# Altium PCB pi4.PcbDoc (part 1 of 4)
Units mm, origin at the board's own origin, x right, y up, seen from the top; angles counter-clockwise.
Board outline 90 x 90 mm, 6 copper layers (Top Layer, GND, Layer 1, Layer 2, +3.3V, Bottom Layer), stack 1.576 mm thick; 206 components, 185 nets, 1058 pads, 526 vias.
Unrouted connection lines stored in the file: 110.
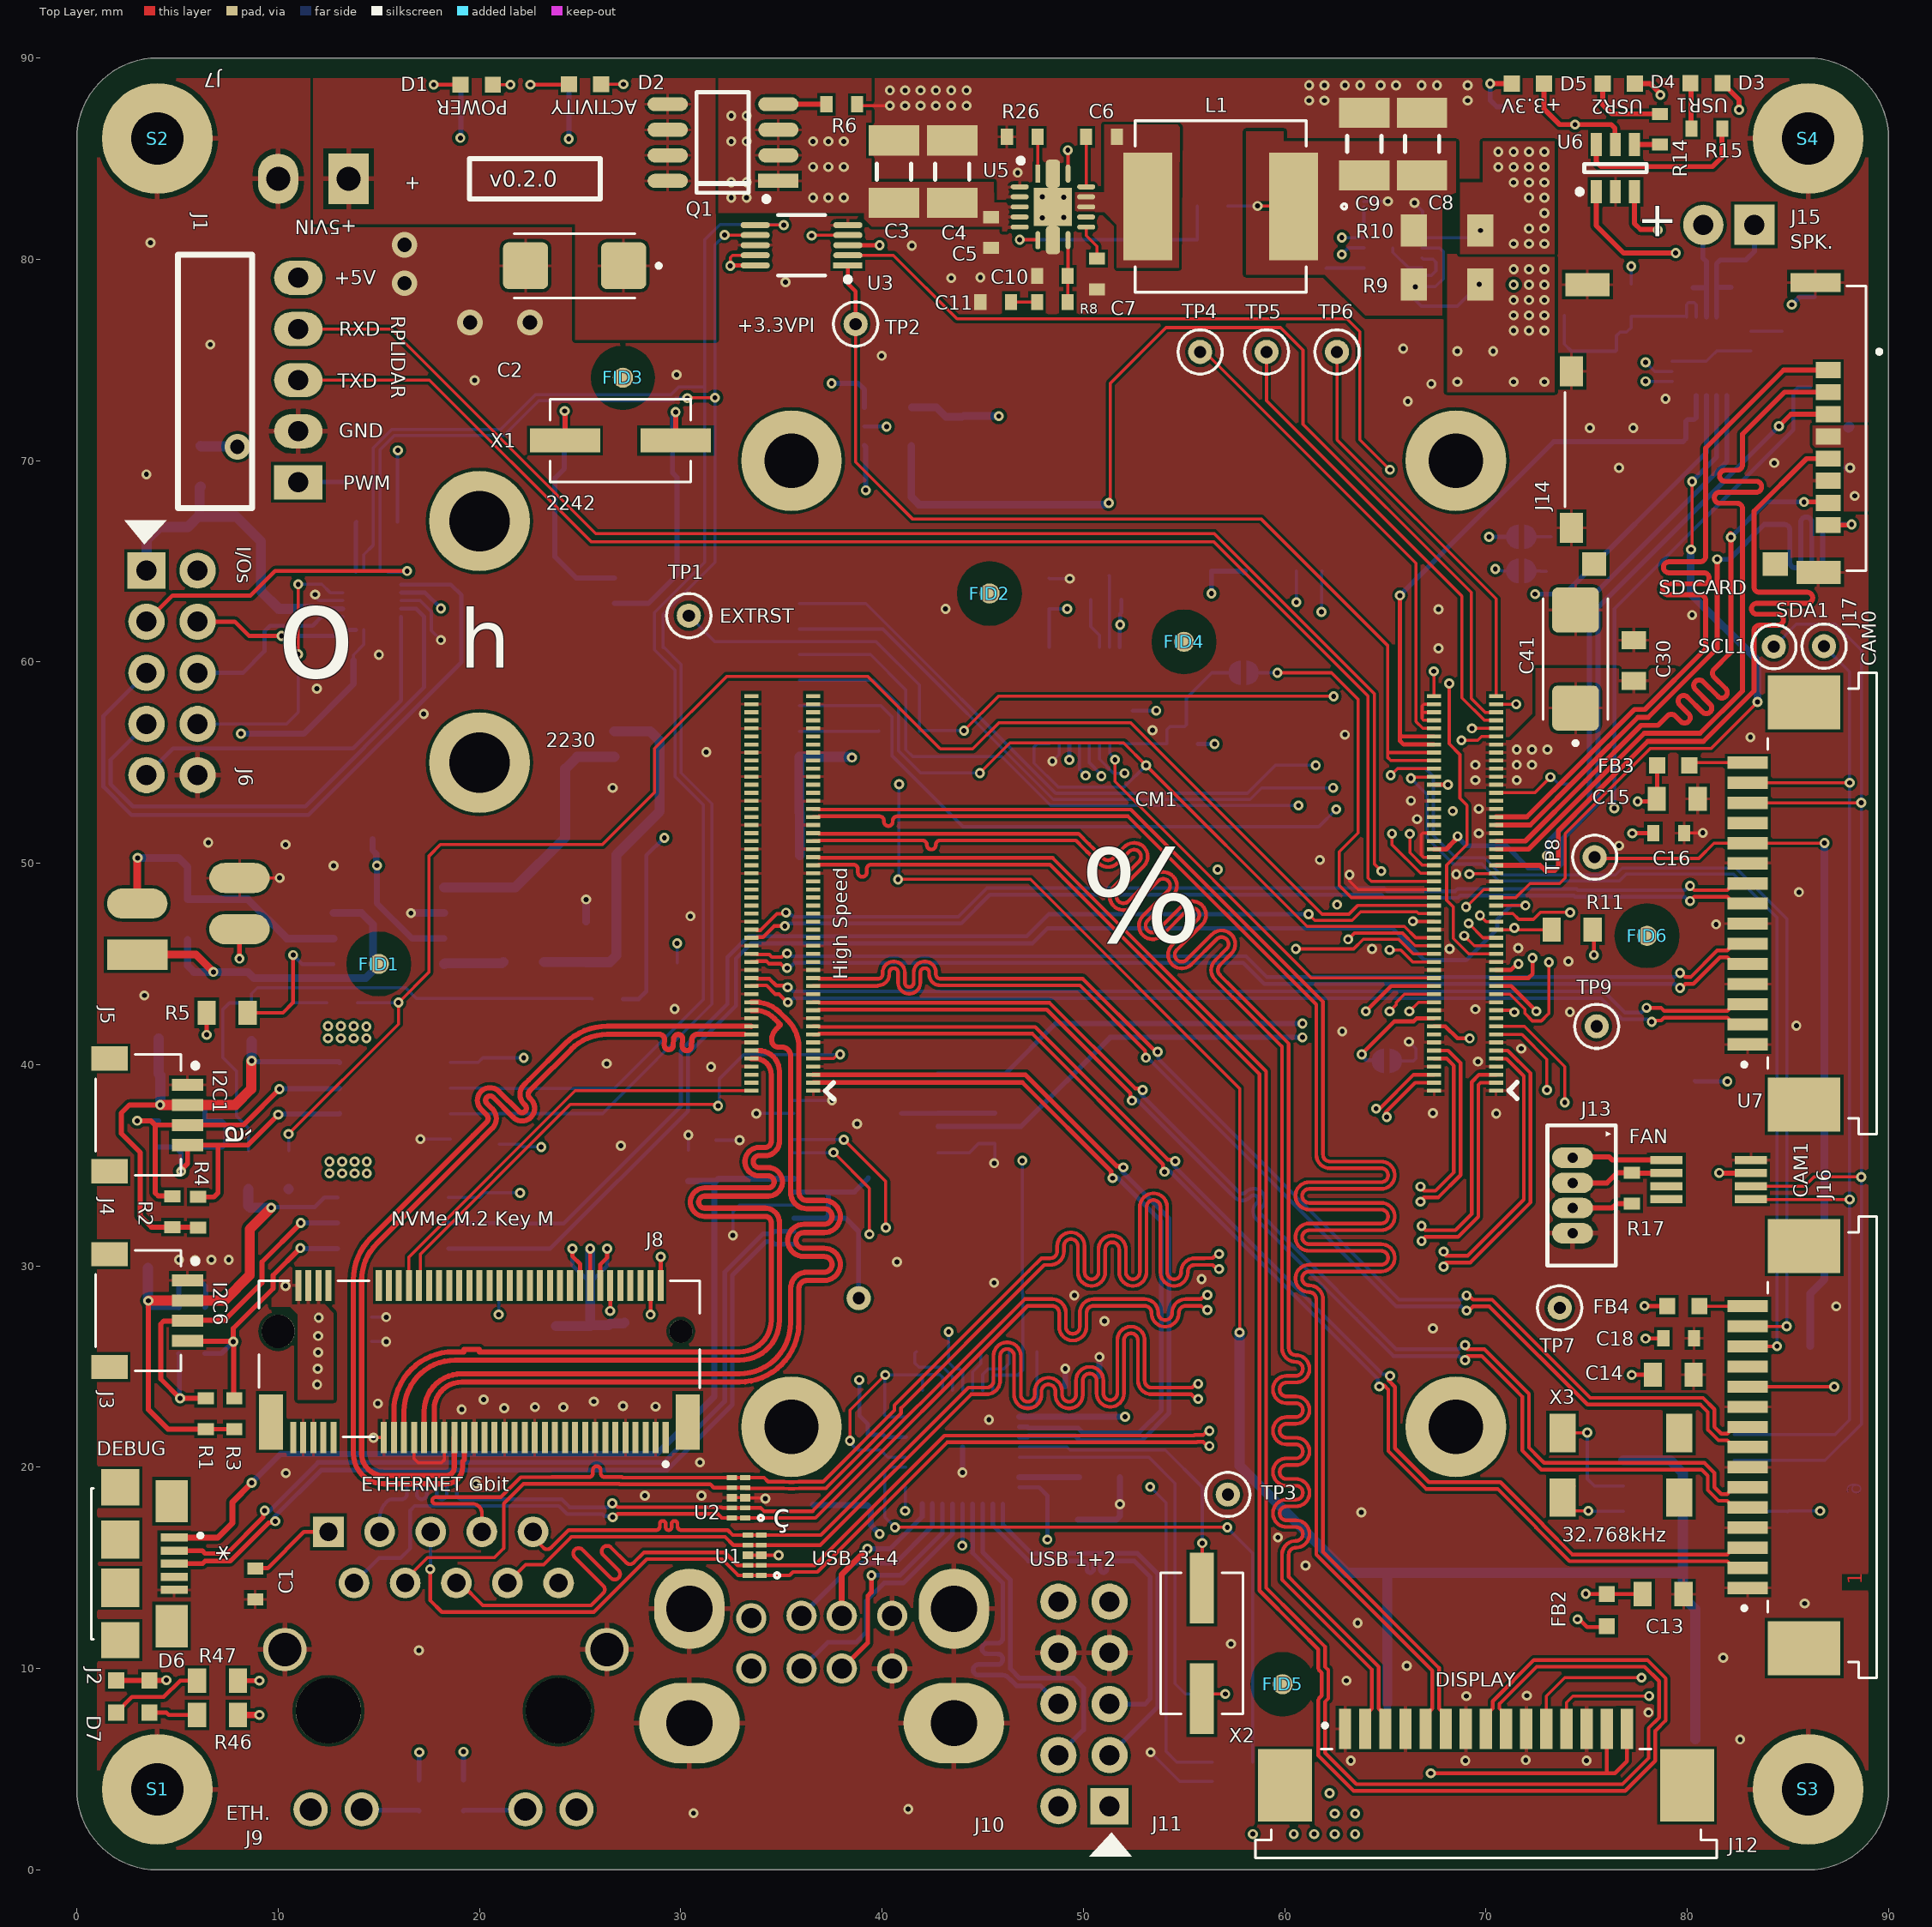
[diagram p0: Top Layer view]
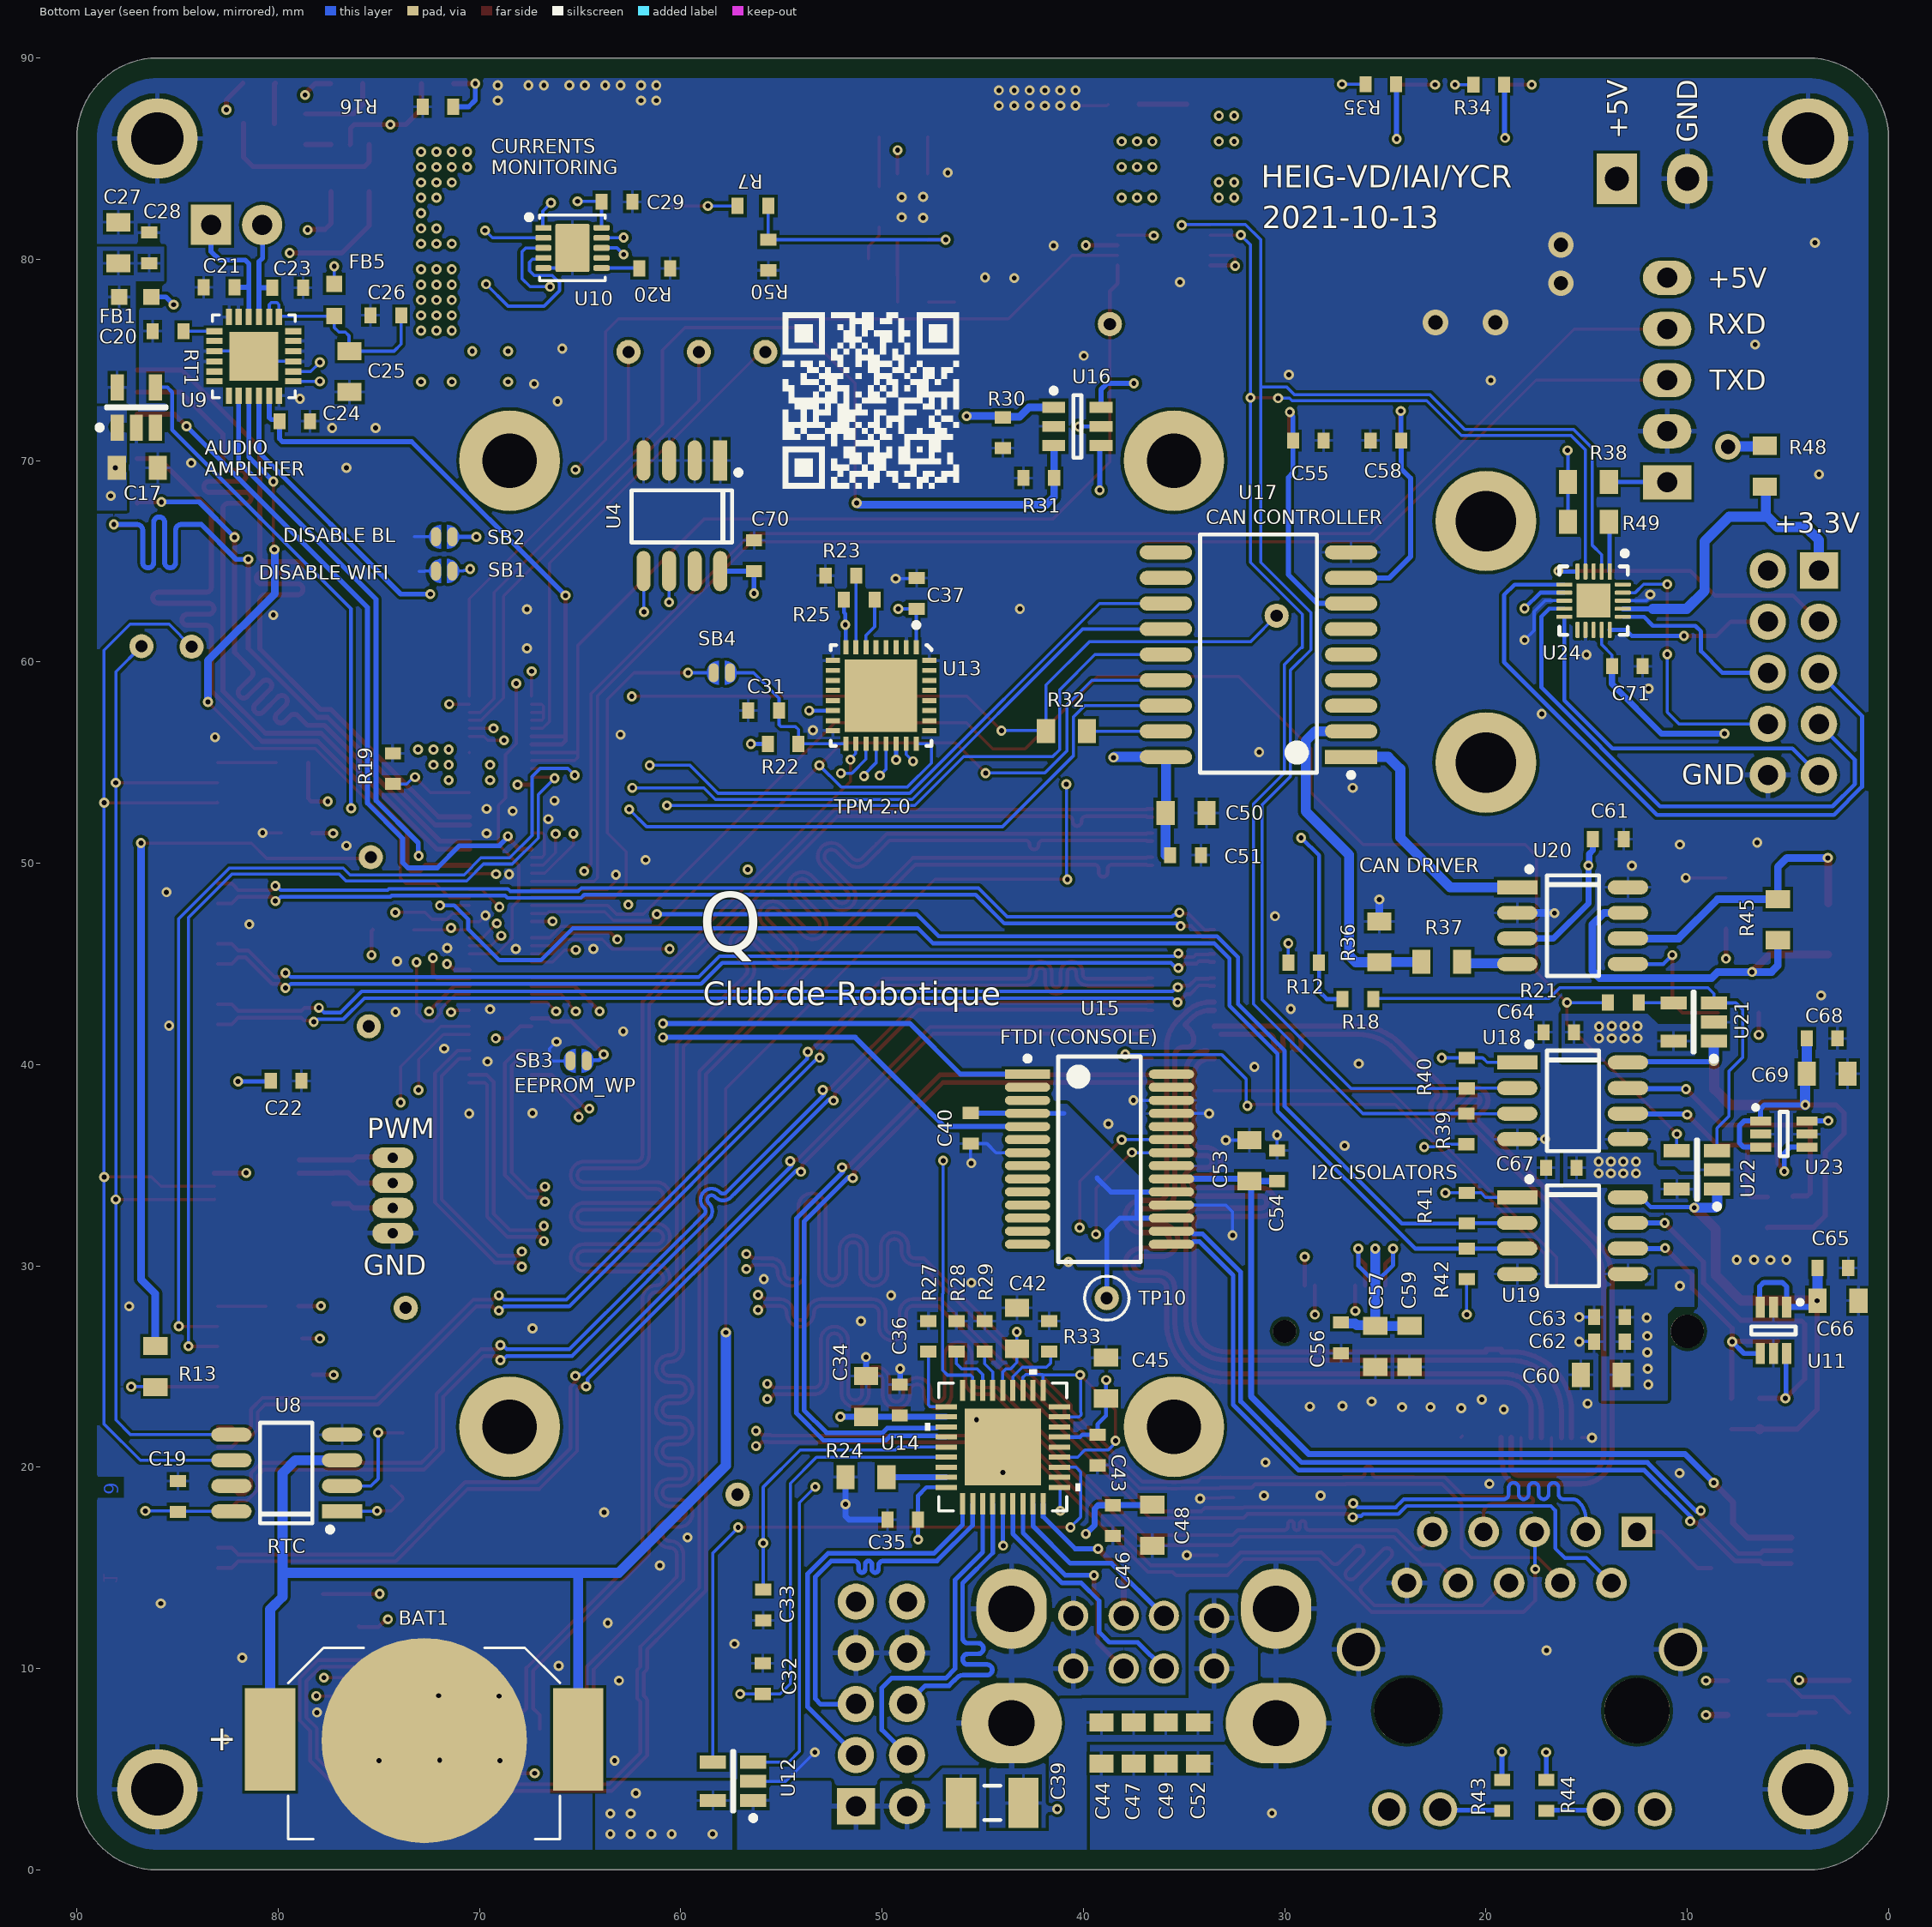
[diagram p1: Bottom Layer view, seen from below]
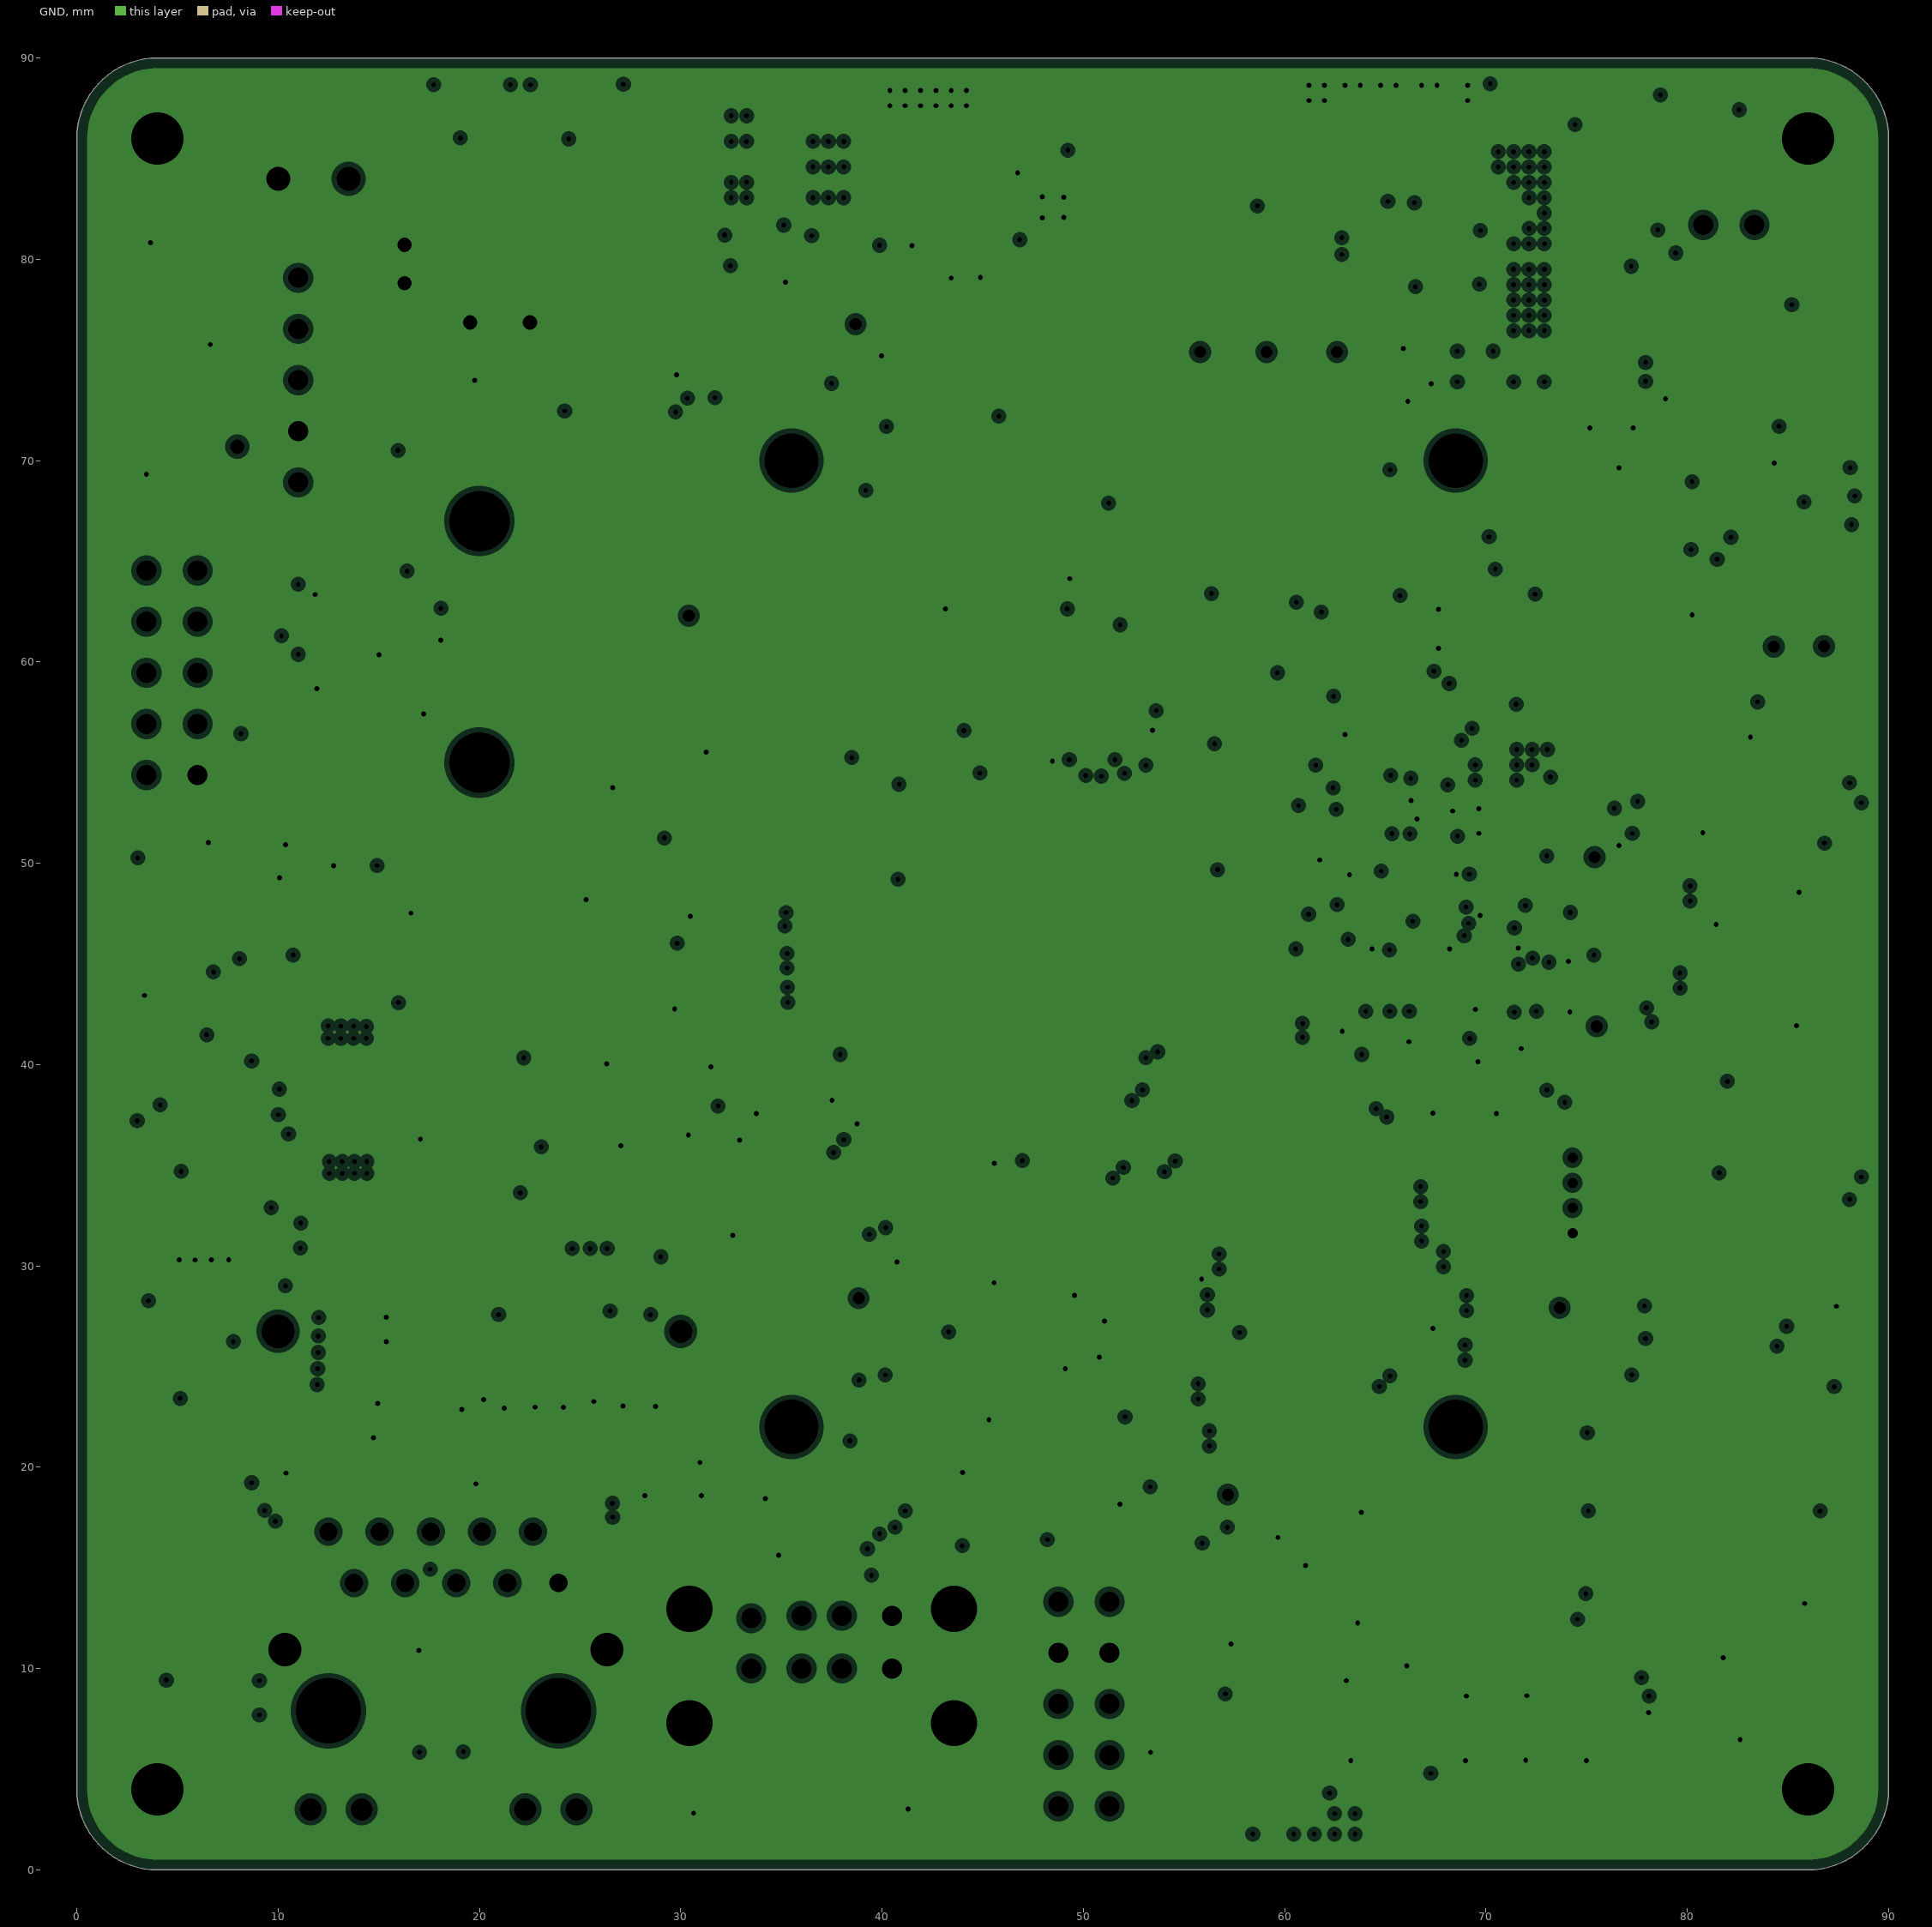
[diagram p2: GND, clearances drawn from the general rule]